# Altium PCB Main_Board.PcbDoc (part 1 of 19) (continued)
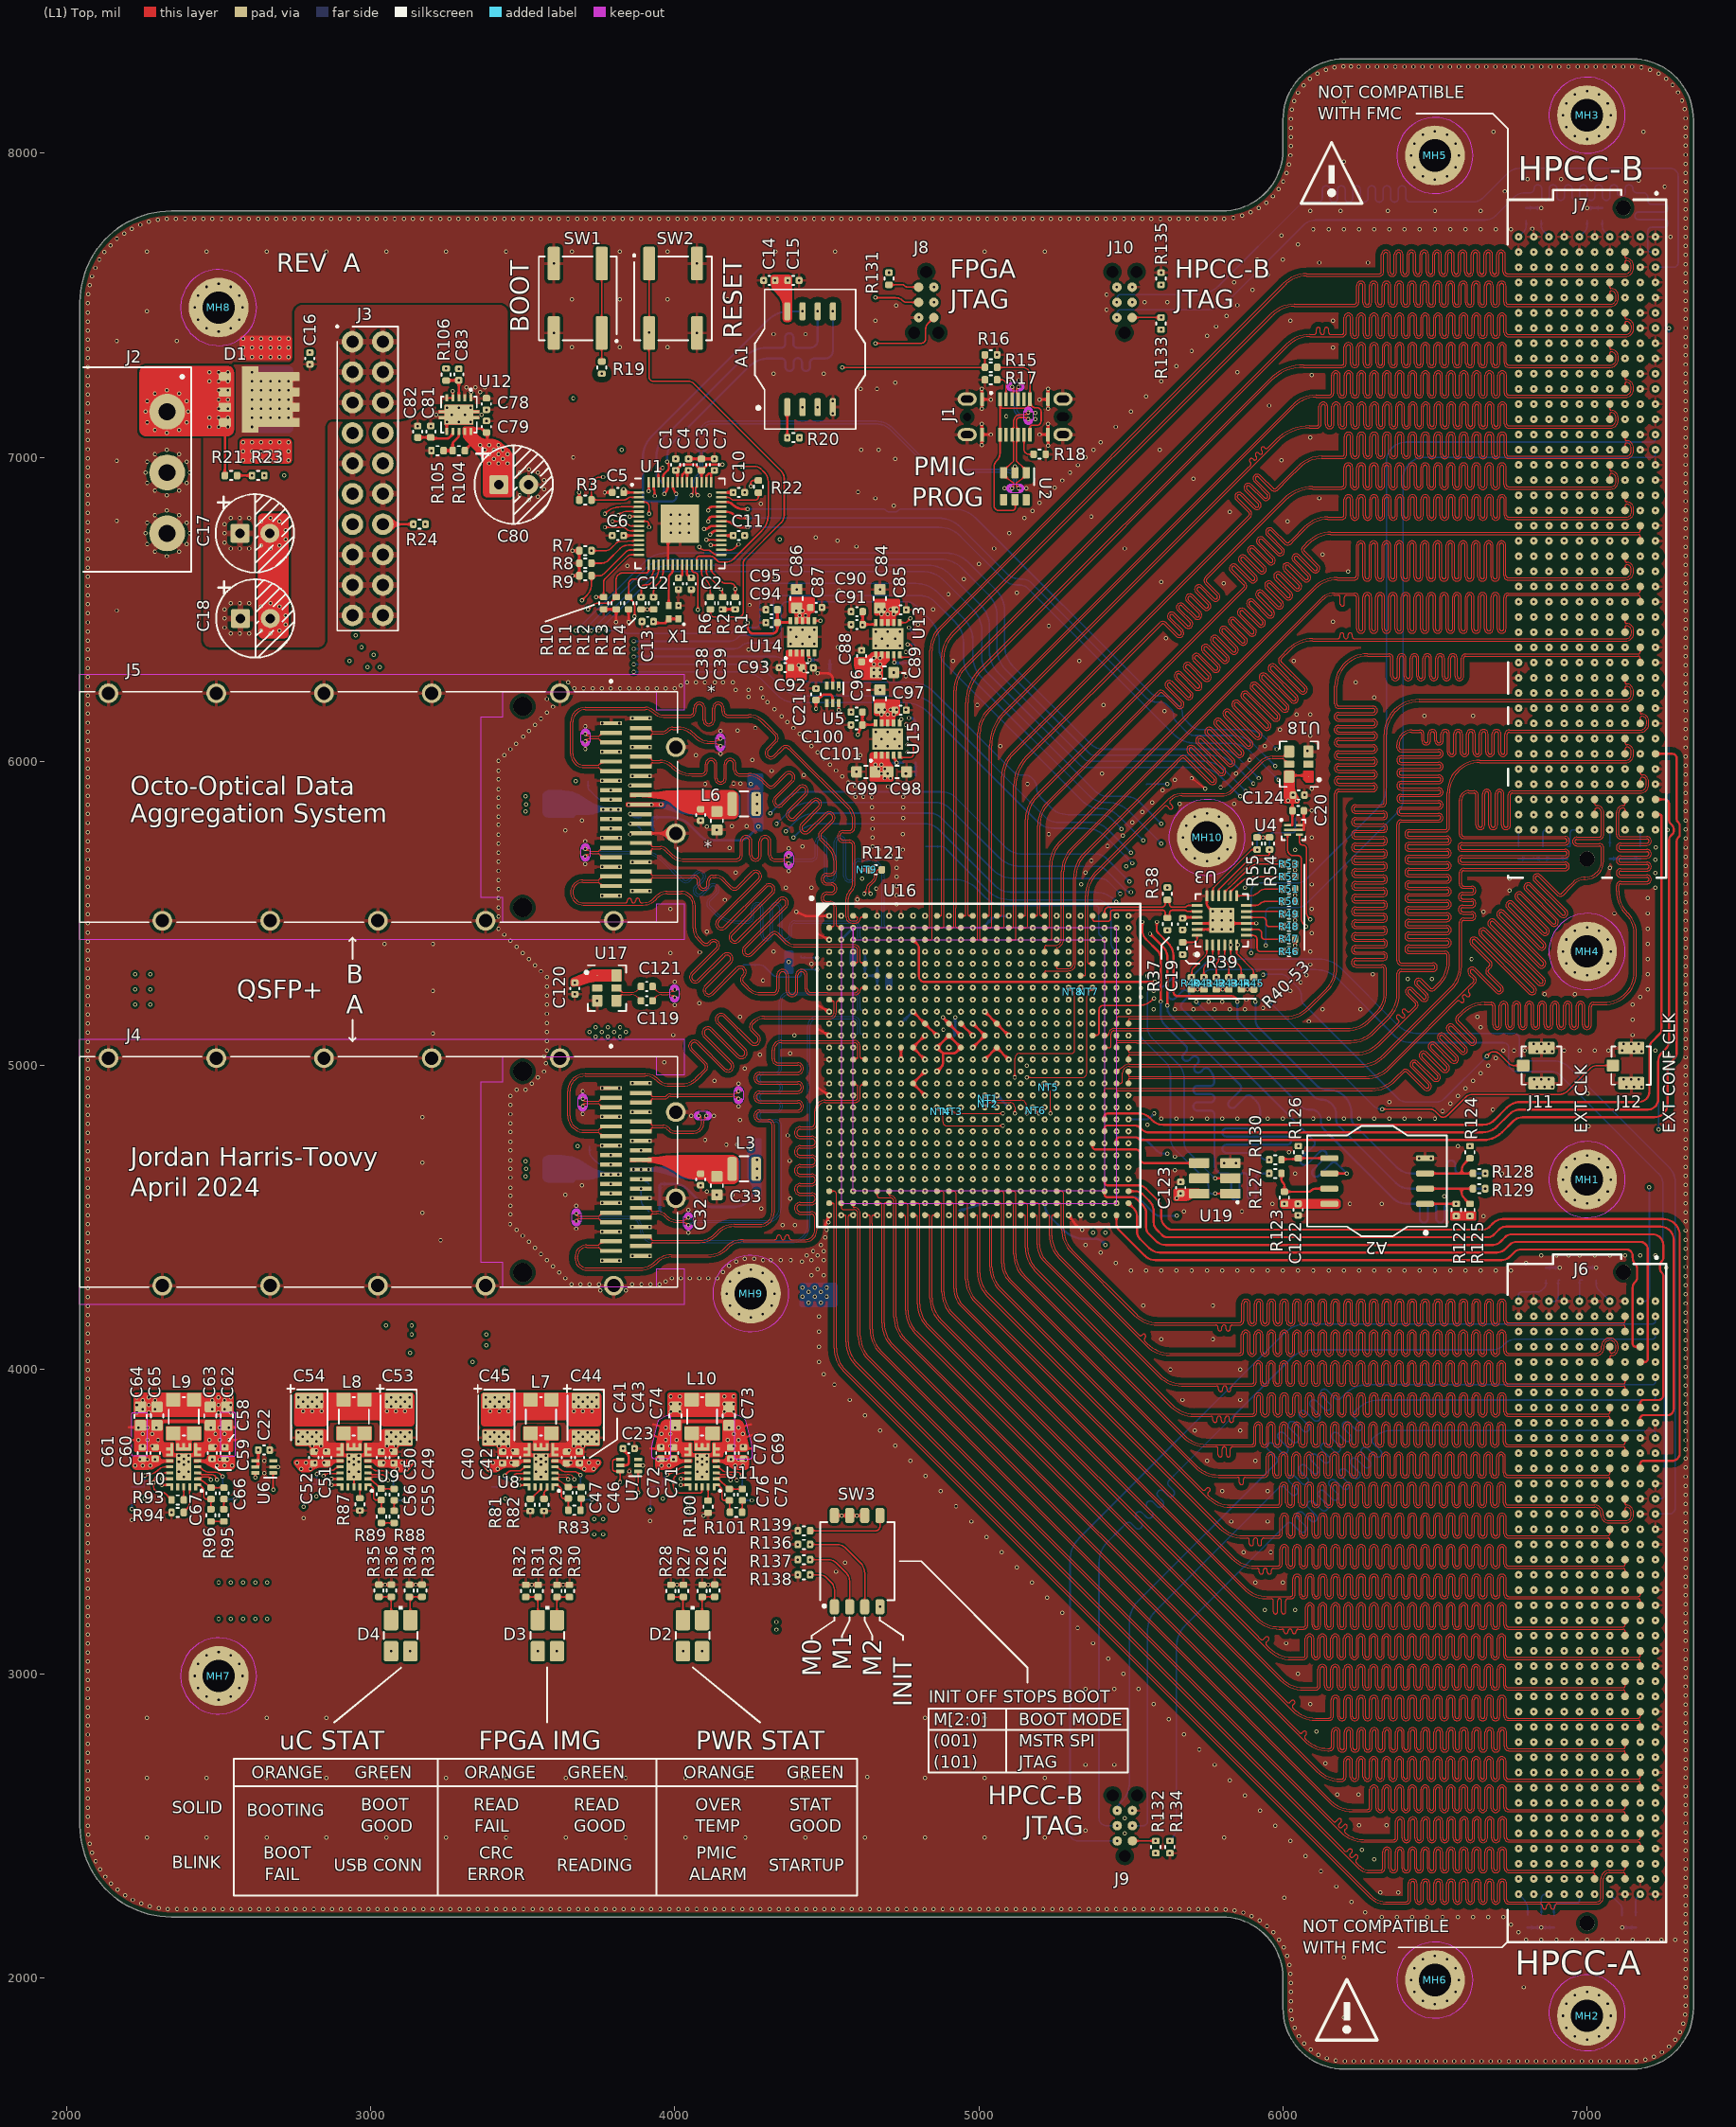
[diagram p0: (L1) Top view]
## Classes and differential pairs (continued)
differential pair HPCC_B_72: +HPCC_B_72_P -HPCC_B_72_N
differential pair HPCC_B_71: +HPCC_B_71_P -HPCC_B_71_N
differential pair HPCC_B_70: +HPCC_B_70_P -HPCC_B_70_N
differential pair HPCC_B_69: +HPCC_B_69_P -HPCC_B_69_N
differential pair HPCC_B_68: +HPCC_B_68_P -HPCC_B_68_N
differential pair HPCC_B_67: +HPCC_B_67_P -HPCC_B_67_N
differential pair HPCC_B_66: +HPCC_B_66_P -HPCC_B_66_N
differential pair HPCC_B_65: +HPCC_B_65_P -HPCC_B_65_N
differential pair HPCC_B_64: +HPCC_B_64_P -HPCC_B_64_N
differential pair HPCC_B_63: +HPCC_B_63_P -HPCC_B_63_N
differential pair HPCC_B_62: +HPCC_B_62_P -HPCC_B_62_N
differential pair HPCC_B_61: +HPCC_B_61_P -HPCC_B_61_N
differential pair HPCC_B_60: +HPCC_B_60_P -HPCC_B_60_N
differential pair HPCC_B_59: +HPCC_B_59_P -HPCC_B_59_N
differential pair HPCC_B_58: +HPCC_B_58_P -HPCC_B_58_N
differential pair HPCC_B_57: +HPCC_B_57_P -HPCC_B_57_N
differential pair HPCC_B_56: +HPCC_B_56_P -HPCC_B_56_N
differential pair HPCC_B_55: +HPCC_B_55_P -HPCC_B_55_N
differential pair HPCC_B_54: +HPCC_B_54_P -HPCC_B_54_N
differential pair HPCC_B_53: +HPCC_B_53_P -HPCC_B_53_N
differential pair HPCC_B_52: +HPCC_B_52_P -HPCC_B_52_N
differential pair HPCC_B_51: +HPCC_B_51_P -HPCC_B_51_N
differential pair HPCC_B_50: +HPCC_B_50_P -HPCC_B_50_N
differential pair HPCC_B_49: +HPCC_B_49_P -HPCC_B_49_N
differential pair HPCC_B_48: +HPCC_B_48_P -HPCC_B_48_N
differential pair HPCC_B_47: +HPCC_B_47_P -HPCC_B_47_N
differential pair HPCC_B_46: +HPCC_B_46_P -HPCC_B_46_N
differential pair HPCC_B_45: +HPCC_B_45_P -HPCC_B_45_N
differential pair HPCC_B_44: +HPCC_B_44_P -HPCC_B_44_N
differential pair HPCC_B_43: +HPCC_B_43_P -HPCC_B_43_N
differential pair HPCC_B_42: +HPCC_B_42_P -HPCC_B_42_N
differential pair HPCC_B_41: +HPCC_B_41_P -HPCC_B_41_N
differential pair HPCC_B_40: +HPCC_B_40_P -HPCC_B_40_N
differential pair HPCC_B_39: +HPCC_B_39_P -HPCC_B_39_N
differential pair HPCC_B_38: +HPCC_B_38_P -HPCC_B_38_N
differential pair HPCC_B_37: +HPCC_B_37_P -HPCC_B_37_N
differential pair HPCC_B_36: +HPCC_B_36_P -HPCC_B_36_N
differential pair HPCC_B_35: +HPCC_B_35_P -HPCC_B_35_N
differential pair HPCC_B_34: +HPCC_B_34_P -HPCC_B_34_N
differential pair HPCC_B_33: +HPCC_B_33_P -HPCC_B_33_N
differential pair HPCC_B_32: +HPCC_B_32_P -HPCC_B_32_N
differential pair HPCC_B_31: +HPCC_B_31_P -HPCC_B_31_N
differential pair HPCC_B_30: +HPCC_B_30_P -HPCC_B_30_N
differential pair HPCC_B_29: +HPCC_B_29_P -HPCC_B_29_N
differential pair HPCC_B_28: +HPCC_B_28_P -HPCC_B_28_N
differential pair HPCC_B_27: +HPCC_B_27_P -HPCC_B_27_N
differential pair HPCC_B_26: +HPCC_B_26_P -HPCC_B_26_N
differential pair HPCC_B_25: +HPCC_B_25_P -HPCC_B_25_N
differential pair HPCC_B_24: +HPCC_B_24_P -HPCC_B_24_N
differential pair HPCC_B_23: +HPCC_B_23_P -HPCC_B_23_N
differential pair HPCC_B_22: +HPCC_B_22_P -HPCC_B_22_N
differential pair HPCC_B_21: +HPCC_B_21_P -HPCC_B_21_N
differential pair HPCC_B_20: +HPCC_B_20_P -HPCC_B_20_N
differential pair HPCC_B_19: +HPCC_B_19_P -HPCC_B_19_N
differential pair HPCC_B_18: +HPCC_B_18_P -HPCC_B_18_N
differential pair HPCC_B_17: +HPCC_B_17_P -HPCC_B_17_N
differential pair HPCC_B_16: +HPCC_B_16_P -HPCC_B_16_N
differential pair HPCC_B_15: +HPCC_B_15_P -HPCC_B_15_N
differential pair HPCC_B_14: +HPCC_B_14_P -HPCC_B_14_N
differential pair HPCC_B_13: +HPCC_B_13_P -HPCC_B_13_N
differential pair HPCC_B_12: +HPCC_B_12_P -HPCC_B_12_N
differential pair HPCC_B_11: +HPCC_B_11_P -HPCC_B_11_N
differential pair HPCC_B_10: +HPCC_B_10_P -HPCC_B_10_N
differential pair HPCC_B_09: +HPCC_B_09_P -HPCC_B_09_N
differential pair HPCC_B_08: +HPCC_B_08_P -HPCC_B_08_N
differential pair HPCC_B_07: +HPCC_B_07_P -HPCC_B_07_N
differential pair HPCC_B_06: +HPCC_B_06_P -HPCC_B_06_N
differential pair HPCC_B_05: +HPCC_B_05_P -HPCC_B_05_N
differential pair HPCC_B_04: +HPCC_B_04_P -HPCC_B_04_N
differential pair HPCC_B_03: +HPCC_B_03_P -HPCC_B_03_N
differential pair HPCC_B_02: +HPCC_B_02_P -HPCC_B_02_N
differential pair HPCC_B_01: +HPCC_B_01_P -HPCC_B_01_N
differential pair HPCC_A_72: +HPCC_A_72_P -HPCC_A_72_N
differential pair HPCC_A_71: +HPCC_A_71_P -HPCC_A_71_N
differential pair HPCC_A_70: +HPCC_A_70_P -HPCC_A_70_N
differential pair HPCC_A_69: +HPCC_A_69_P -HPCC_A_69_N
differential pair HPCC_A_68: +HPCC_A_68_P -HPCC_A_68_N
differential pair HPCC_A_67: +HPCC_A_67_P -HPCC_A_67_N
differential pair HPCC_A_66: +HPCC_A_66_P -HPCC_A_66_N
differential pair HPCC_A_65: +HPCC_A_65_P -HPCC_A_65_N
differential pair HPCC_A_64: +HPCC_A_64_P -HPCC_A_64_N
differential pair HPCC_A_63: +HPCC_A_63_P -HPCC_A_63_N
differential pair HPCC_A_62: +HPCC_A_62_P -HPCC_A_62_N
differential pair HPCC_A_61: +HPCC_A_61_P -HPCC_A_61_N
differential pair HPCC_A_60: +HPCC_A_60_P -HPCC_A_60_N
differential pair HPCC_A_59: +HPCC_A_59_P -HPCC_A_59_N
differential pair HPCC_A_58: +HPCC_A_58_P -HPCC_A_58_N
differential pair HPCC_A_57: +HPCC_A_57_P -HPCC_A_57_N
differential pair HPCC_A_56: +HPCC_A_56_P -HPCC_A_56_N
differential pair HPCC_A_55: +HPCC_A_55_P -HPCC_A_55_N
differential pair HPCC_A_54: +HPCC_A_54_P -HPCC_A_54_N
differential pair HPCC_A_53: +HPCC_A_53_P -HPCC_A_53_N
differential pair HPCC_A_52: +HPCC_A_52_P -HPCC_A_52_N
differential pair HPCC_A_51: +HPCC_A_51_P -HPCC_A_51_N
differential pair HPCC_A_50: +HPCC_A_50_P -HPCC_A_50_N
differential pair HPCC_A_49: +HPCC_A_49_P -HPCC_A_49_N
differential pair HPCC_A_48: +HPCC_A_48_P -HPCC_A_48_N
differential pair HPCC_A_47: +HPCC_A_47_P -HPCC_A_47_N
differential pair HPCC_A_46: +HPCC_A_46_P -HPCC_A_46_N
differential pair HPCC_A_45: +HPCC_A_45_P -HPCC_A_45_N
differential pair HPCC_A_44: +HPCC_A_44_P -HPCC_A_44_N
differential pair HPCC_A_43: +HPCC_A_43_P -HPCC_A_43_N
differential pair HPCC_A_42: +HPCC_A_42_P -HPCC_A_42_N
differential pair HPCC_A_41: +HPCC_A_41_P -HPCC_A_41_N
differential pair HPCC_A_40: +HPCC_A_40_P -HPCC_A_40_N
differential pair HPCC_A_39: +HPCC_A_39_P -HPCC_A_39_N
differential pair HPCC_A_38: +HPCC_A_38_P -HPCC_A_38_N
differential pair HPCC_A_37: +HPCC_A_37_P -HPCC_A_37_N
differential pair HPCC_A_36: +HPCC_A_36_P -HPCC_A_36_N
differential pair HPCC_A_35: +HPCC_A_35_P -HPCC_A_35_N
differential pair HPCC_A_34: +HPCC_A_34_P -HPCC_A_34_N
differential pair HPCC_A_33: +HPCC_A_33_P -HPCC_A_33_N
differential pair HPCC_A_32: +HPCC_A_32_P -HPCC_A_32_N
differential pair HPCC_A_31: +HPCC_A_31_P -HPCC_A_31_N
differential pair HPCC_A_30: +HPCC_A_30_P -HPCC_A_30_N
differential pair HPCC_A_29: +HPCC_A_29_P -HPCC_A_29_N
differential pair HPCC_A_28: +HPCC_A_28_P -HPCC_A_28_N
differential pair HPCC_A_27: +HPCC_A_27_P -HPCC_A_27_N
differential pair HPCC_A_26: +HPCC_A_26_P -HPCC_A_26_N
differential pair HPCC_A_25: +HPCC_A_25_P -HPCC_A_25_N
differential pair HPCC_A_24: +HPCC_A_24_P -HPCC_A_24_N
differential pair HPCC_A_23: +HPCC_A_23_P -HPCC_A_23_N
differential pair HPCC_A_22: +HPCC_A_22_P -HPCC_A_22_N
differential pair HPCC_A_21: +HPCC_A_21_P -HPCC_A_21_N
differential pair HPCC_A_20: +HPCC_A_20_P -HPCC_A_20_N
differential pair HPCC_A_19: +HPCC_A_19_P -HPCC_A_19_N
differential pair HPCC_A_18: +HPCC_A_18_P -HPCC_A_18_N
differential pair HPCC_A_17: +HPCC_A_17_P -HPCC_A_17_N
differential pair HPCC_A_16: +HPCC_A_16_P -HPCC_A_16_N
differential pair HPCC_A_15: +HPCC_A_15_P -HPCC_A_15_N
differential pair HPCC_A_14: +HPCC_A_14_P -HPCC_A_14_N
differential pair HPCC_A_13: +HPCC_A_13_P -HPCC_A_13_N
differential pair HPCC_A_12: +HPCC_A_12_P -HPCC_A_12_N
differential pair HPCC_A_11: +HPCC_A_11_P -HPCC_A_11_N
differential pair HPCC_A_10: +HPCC_A_10_P -HPCC_A_10_N
differential pair HPCC_A_09: +HPCC_A_09_P -HPCC_A_09_N
differential pair HPCC_A_08: +HPCC_A_08_P -HPCC_A_08_N
differential pair HPCC_A_07: +HPCC_A_07_P -HPCC_A_07_N
differential pair HPCC_A_06: +HPCC_A_06_P -HPCC_A_06_N
differential pair HPCC_A_05: +HPCC_A_05_P -HPCC_A_05_N
differential pair HPCC_A_04: +HPCC_A_04_P -HPCC_A_04_N
differential pair HPCC_A_03: +HPCC_A_03_P -HPCC_A_03_N
differential pair HPCC_A_02: +HPCC_A_02_P -HPCC_A_02_N
differential pair HPCC_A_01: +HPCC_A_01_P -HPCC_A_01_N
differential pair GTX_REFCLK: +GTX_REFCLK_P -GTX_REFCLK_N
differential pair GTX_REFCLK_DC: +GTX_REFCLK_DC_P -GTX_REFCLK_DC_N
differential pair GTX_CAL: +GTX_CAL_P -GTX_CAL_N
differential pair FPGA_CK200: +FPGA_CK200_P -FPGA_CK200_N

## Components (designator, comment, footprint, x,y, rotation, side; value= is the part's Value field where it differs from the comment)
A1 "MT25QL128" LOTES_ACA-SPI-004-K01 4445,7322.52 r90 top
A2 "MT25QL128" LOTES_ACA-SPI-004-K01 6310,4620 r180 top
C1 "0.1u" C_0402_Generic 4003.04,6975.99 r270 top
C2 "0.1u" C_0402_Generic 4054.41,6584.01 r90 top
C3 "1u" C_0402_Generic 4087.87,6975.99 r270 top
C4 "0.1u" C_0402_Generic 4045.45,6975.99 r270 top
C5 "0.1u" C_0402_Generic 3813.09,6884.36 r0 top
C6 "0.1u" C_0402_Generic 3813.09,6742.63 r0 top
C7 "0.1u" C_0402_Generic 4130.28,6975.99 r270 top
C8 "0.1u" C_0402_Generic 4045.45,6975.99 r270 bottom
C9 "0.1u" C_0402_Generic 4130.28,6975.99 r270 bottom
C10 "0.1u" C_0402_Generic 4210.99,6884.36 r180 top
C11 "1u" C_0402_Generic 4210.99,6742.63 r180 top
C12 "10u" C_0402_Generic 4012,6584.01 r90 top
C13 "0.1u" C_0402_Generic 3911.1,6460 r0 top
C14 "4.7u" C_0402_Generic 4311.1,7581.52 r0 top
C15 "0.1u" C_0402_Generic 4390,7581.52 r180 top
C16 "10u" C_0402_Generic 2800,7325 r270 top
C17 "330u" KEMET_EK_Radial 2619.21,6750 r0 top
C18 "330u" KEMET_EK_Radial 2620.79,6470 r0 top
C19 "0.1u" C_0402_Generic 5670,5465 r90 top
C20 "0.1u" C_0402_Generic 6050,5838.16 r180 top
C21 "0.1u" C_0402_Generic 4464.36,6220.87 r270 top
C22 "0.1u" C_0402_Generic 2649.08,3735.27 r180 top
C23 "0.1u" C_0402_Generic 3848.62,3740.47 r180 top
C24 "0.1u" C_0402_Generic 4250,4586.94 r0 bottom
C25 "22u" C_0603_Generic 4235,4738.97 r0 bottom
C26 "0.1u" C_0402_Generic 4255,5786.94 r0 bottom
C27 "22u" C_0603_Generic 4235,5938.97 r0 bottom
C28 "0.1u" C_0402_Generic 3695,4625 r90 bottom
C29 "22u" C_0603_Generic 3640,4605 r90 bottom
C30 "0.1u" C_0402_Generic 4085,4625 r90 bottom
C31 "22u" C_0603_Generic 4138.32,4605 r90 bottom
C32 "0.1u" C_0402_Generic 4085,4625 r90 top
C33 "22u" C_0603_Generic 4138.32,4605 r90 top
C34 "0.1u" C_0402_Generic 3695,5825.1 r90 bottom
C35 "22u" C_0603_Generic 3640,5804 r90 bottom
C36 "0.1u" C_0402_Generic 4085,5824.9 r90 bottom
C37 "22u" C_0603_Generic 4138.32,5805 r90 bottom
C38 "0.1u" C_0402_Generic 4085,5824 r90 top
C39 "22u" C_0603_Generic 4138.32,5805 r90 top
C40 "10u" C_0402_Generic 3433.84,3710.82 r270 top
C41 "0.1u" C_0402_Generic 3644,3710.82 r270 top
C42 "0.1u" C_0402_Generic 3476.25,3710.82 r270 top
C43 "10u" C_0402_Generic 3686.41,3710.82 r270 top
C44 "270u" C_TANT_EIA-3528-21_A 3706.88,3836.89 r270 top
C45 "270u" C_TANT_EIA-3528-21_A 3413.12,3836.89 r270 top
C46 "680p" C_0402_Generic 3692.15,3595.02 r90 top
C47 "10p" C_0402_Generic 3649.73,3595.02 r90 top
C48 "10p" C_0402_Generic 3401.68,3517.66 r90 bottom
C49 "10u" C_0402_Generic 3076.9,3710.82 r270 top
C50 "0.1u" C_0402_Generic 3034.49,3710.82 r270 top
C51 "0.1u" C_0402_Generic 2855.26,3710.82 r270 top
C52 "10u" C_0402_Generic 2812.85,3710.82 r270 top
C53 "150u" C_TANT_EIA-3528-21_B 3091.93,3836.89 r270 top
C54 "150u" C_TANT_EIA-3528-21_B 2798.07,3836.89 r270 top
C55 "2700p" C_0402_Generic 3077.15,3588.89 r90 top
C56 "10p" C_0402_Generic 3034.73,3589.89 r90 top
C57 "10p" C_0402_Generic 2779.49,3529.95 r90 bottom
C58 "10u" C_0402_Generic 2521.19,3725.28 r270 top
C59 "0.1u" C_0402_Generic 2478.59,3725.28 r270 top
C60 "0.1u" C_0402_Generic 2291.41,3725.28 r270 top
C61 "10u" C_0402_Generic 2249,3725.28 r270 top
C62 "47u" C_0603_Generic 2527.09,3847.09 r90 top
C63 "47u" C_0603_Generic 2472.69,3847.09 r90 top
C64 "47u" C_0603_Generic 2243.09,3846.89 r90 top
C65 "47u" C_0603_Generic 2297.31,3847.09 r90 top
C66 "2700p" C_0402_Generic 2517.63,3592.89 r90 top
C67 "10p" C_0402_Generic 2475.22,3592.89 r90 top
C68 "10p" C_0402_Generic 2214.97,3522.58 r90 bottom
C69 "4.7u" C_0402_Generic 4226,3725.28 r270 top
C70 "0.1u" C_0402_Generic 4183.59,3725.28 r270 top
C71 "0.1u" C_0402_Generic 3996.41,3725.28 r270 top
C72 "4.7u" C_0402_Generic 3954,3725.28 r270 top
C73 "47u" C_0603_Generic 4177.69,3847.09 r90 top
C74 "47u" C_0603_Generic 4002.31,3847.09 r90 top
C75 "6800p" C_0402_Generic 4222.15,3588.39 r90 top
C76 "10p" C_0402_Generic 4179.73,3588.39 r90 top
C77 "10p" C_0402_Generic 3919.05,3520.61 r90 bottom
C78 "4.7u" C_0402_Generic 3380.69,7175.4 r90 top
C79 "10u" C_0402_Generic 3380.69,7100.71 r270 top
C80 "330u" KEMET_EK_Radial 3470.27,6910 r0 top
C81 "6800p" C_0402_Generic 3197.64,7084.48 r270 top
C82 "6800p" C_0402_Generic 3154.76,7083.9 r270 top
C83 "10p" C_0402_Generic 3289.64,7272.22 r270 top
C84 "22u" C_0603_Generic 4674.56,6535.15 r270 top
C85 "10u" C_0402_Generic 4742.57,6498.48 r180 top
C86 "22u" C_0603_Generic 4400.92,6535.53 r270 top
C87 "10u" C_0402_Generic 4464.98,6506 r180 top
C88 "10u" C_0402_Generic 4614.63,6346.15 r270 top
C89 "47u" C_0603_Generic 4689.63,6292.15 r180 top
C90 "0.1u" C_0402_Generic 4598.88,6492.43 r0 top
C91 "1u" C_0402_Generic 4598.88,6449.74 r0 top
C92 "10u" C_0402_Generic 4436.75,6307.71 r180 top
C93 "10u" C_0402_Generic 4362.54,6308.45 r0 top
C94 "0.1u" C_0402_Generic 4318.45,6456.31 r0 top
C95 "1u" C_0402_Generic 4318.45,6499 r0 top
C96 "22u" C_0603_Generic 4674.74,6205.24 r270 top
C97 "10u" C_0402_Generic 4742.63,6168.57 r180 top
C98 "22u" C_0603_Generic 4731.62,5965.7 r180 top
C99 "47u" C_0603_Generic 4628.34,5965.7 r0 top
C100 "0.1u" C_0402_Generic 4598.45,6162.24 r0 top
C101 "1u" C_0402_Generic 4598.45,6119.83 r0 top
C102 "4.7u" C_0402_Generic 4685,5295 r0 bottom
C103 "4.7u" C_0402_Generic 4605.9,5334 r180 bottom
C104 "4.7u" C_0402_Generic 4685.83,5019.69 r0 bottom
C105 "100u" C_0805_Generic 5059,5452 r270 bottom
C106 "100u" C_0805_Generic 4921,4547 r90 bottom
C107 "330u" C_TANT_EIA-3528-21_B 4980.31,5098.43 r180 bottom
C108 "330u" C_TANT_EIA-3528-21_B 4485,4315 r90 bottom
C109 "100u" C_0805_Generic 4814,5099 r90 bottom
C110 "4.7u" C_0402_Generic 4999.21,4862.2 r180 bottom
C111 "4.7u" C_0402_Generic 5059,4921.76 r90 bottom
C112 "4.7u" C_0402_Generic 4999.21,4940.94 r180 bottom
C113 "47u" C_0603_Generic 4902,4897.47 r270 bottom
C114 "47u" C_0603_Generic 4892.72,4980.31 r180 bottom
C115 "47u" C_0603_Generic 4784,4899 r90 bottom
C116 "47u" C_0603_Generic 4744,5109 r270 bottom
C117 "47u" C_0603_Generic 5413.39,4713.58 r90 bottom
C118 "47u" C_0603_Generic 5404.53,5255.91 r180 bottom
C119 "0.1u" C_0402_Generic 3907.87,5212.59 r180 top
C120 "0.1u" C_0402_Generic 3671.5,5253.24 r270 top
C121 "0.1u" C_0402_Generic 3907.87,5260 r180 top
C122 "0.1u" C_0402_Generic 6050,4526.1 r90 top
C123 "0.1u" C_0402_Generic 5664.05,4598.17 r270 top
C124 "0.1u" C_0402_Generic 6052,5889.3 r180 top
D1 "V30K45" Vishay_FlatPAK_5x6 2660,7190 r270 top
D2 "APB3025SEKCGKC-F01" KINGBRIGHT_1210_DUAL 4058.51,3125 r270 top
D3 "APB3025SEKCGKC-F01" KINGBRIGHT_1210_DUAL 3581,3125 r270 top
D4 "APB3025SEKCGKC-F01" KINGBRIGHT_1210_DUAL 3098.66,3125 r270 top
J1 "USB4145-03-0230-C" USB4145-03-0230-C 5119,7133 r0 top locked
J2 "796638-3" TE_796638-3 2330.7,6950 r270 top locked
J3 "PH2-20-UA" ADAM_TECH_PH2-20-UA 2990,6930 r270 top
J4 "QSFP+ Cage/Conn" AMPHENOL_U95T151100A 3500,4650 r270 top locked
J5 "QSFP+ Cage/Conn" AMPHENOL_U95T151100A 3500,5850 r270 top locked
J6 "ASP-134486-01" SAMTEC_ASP-134486-01 7000,3250 r270 top locked
J7 "ASP-134486-01" SAMTEC_ASP-134486-01 7000,6750 r270 top locked
J8 "TC-XILINX6_6PIN" TAG-CONNECT_NO-LEGS_6PIN 4827.08,7509.66 r270 top locked
J9 "TC-XILINX6_6PIN" TAG-CONNECT_NO-LEGS_6PIN 5480,2500 r90 top locked
J10 "TC-XILINX6_6PIN" TAG-CONNECT_NO-LEGS_6PIN 5479.01,7509.66 r90 top locked
J11 "U.FL" TE_IPEX 6850,5000 r270 top
J12 "U.FL" TE_IPEX 7145,5000 r270 top
L1 "1u" Murata_Ind_1008 3550.27,4660 r180 bottom
L2 "1u" Murata_Ind_1008 4228.05,4660 r0 bottom
L3 "1u" Murata_Ind_1008 4228.05,4660 r0 top
L4 "1u" Murata_Ind_1008 3550,5859 r180 bottom
L5 "1u" Murata_Ind_1008 4228.05,5860 r0 bottom
L6 "1u" Murata_Ind_1008 4228.05,5860 r0 top
L7 "0.15u" TDK_CLT32 3560,3845.89 r90 top
L8 "0.15u" TDK_CLT32 2945,3845.89 r90 top
L9 "0.15u" TDK_CLT32 2385,3845.89 r90 top
L10 "0.15u" TDK_CLT32 4090,3845.89 r90 top
MH1 "M2.5 Mounting Hole" M2.5_MOUNTING_HOLE 7000,4625 r0 top locked
MH2 "M2.5 Mounting Hole" M2.5_MOUNTING_HOLE 7000,1875 r0 top locked
MH3 "M2.5 Mounting Hole" M2.5_MOUNTING_HOLE 7000,8125 r0 top locked
MH4 "M2.5 Mounting Hole" M2.5_MOUNTING_HOLE 7000,5375 r0 top locked
MH5 "M2.5 Mounting Hole" M2.5_MOUNTING_HOLE 6500,7992.5 r0 top locked
MH6 "M2.5 Mounting Hole" M2.5_MOUNTING_HOLE 6500,1992.5 r0 top locked
MH7 "M2.5 Mounting Hole" M2.5_MOUNTING_HOLE 2500,2992.5 r0 top
MH8 "M2.5 Mounting Hole" M2.5_MOUNTING_HOLE 2500,7492.5 r0 top locked
MH9 "M2.5 Mounting Hole" M2.5_MOUNTING_HOLE 4250,4250 r0 top locked
MH10 "M2.5 Mounting Hole" M2.5_MOUNTING_HOLE 5750,5750 r0 top locked
NT1 "NT" SMD_NET_TIE#1 5029.03,4891.97 r135 top net-tie
NT2 "NT" SMD_NET_TIE#1 5029.03,4873.03 r225 top net-tie
NT3 "NT" SMD_NET_TIE#1 4912.97,4850.03 r135 top net-tie
NT4 "NT" SMD_NET_TIE#1 4874.03,4849.97 r135 top net-tie
NT5 "NT" SMD_NET_TIE#1 5227.97,4929.03 r135 top net-tie
NT6 "NT" SMD_NET_TIE#2 5187.53,4851.92 r135 top net-tie
NT7 "NT" SMD_NET_TIE#1 5362.97,5243.97 r45 top net-tie
NT8 "NT" SMD_NET_TIE#1 5307.03,5243.97 r135 top net-tie
NT9 "NT" SMD_NET_TIE#3 4632,5643.42 r180 top net-tie
R1 "4K7" R_0402_Generic 4198.93,6520.23 r270 top
R2 "4K7" R_0402_Generic 4157.89,6520.23 r270 top
R3 "4K7" R_0402_Generic 3706,6859.6 r180 top
R4 "27R" R_0402_Generic 4108,7047.93 r270 bottom
R5 "27R" R_0402_Generic 4066.97,7047.93 r90 bottom
R6 "1K15" R_0402_Generic 4116.86,6520.23 r270 top
R7 "10K" R_0402_Generic 3706,6693 r0 top
R8 "10K" R_0402_Generic 3706,6651.76 r0 top
R9 "10K" R_0402_Generic 3706,6610.48 r0 top
R10 "10K" R_0402_Generic 3766,6520.23 r90 top
R11 "10K" R_0402_Generic 3807.21,6520.23 r90 top
R12 "10K" R_0402_Generic 3848.24,6520.23 r90 top
R13 "10K" R_0402_Generic 3889.27,6520 r90 top
R14 "10K" R_0402_Generic 3930.31,6520 r90 top
R15 "3K57" R_0402_Generic 5040,7296.03 r0 top
R16 "6K2" R_0402_Generic 5040,7337.07 r180 top
R17 "5K11" R_0402_Generic 5040,7255 r0 top
R18 "5K11" R_0402_Generic 5200,7010 r180 top
R19 "1K15" R_0402_Generic 3760,7295 r270 top
R20 "10K" R_0402_Generic 4390,7064.66 r0 top
R21 "47K" R_0402_Generic 2540.55,6940 r180 top
R22 "0" R_0402_Generic 4275,6903.67 r90 top
R23 "47K" R_0402_Generic 2630,6940 r180 top
R24 "47K" R_0402_Generic 3160,6780 r0 top
R25 "1K" R_0402_Generic 4131.22,3272.75 r270 top
R26 "1K" R_0402_Generic 4090.19,3272.2 r270 top
R27 "1K" R_0402_Generic 4028.51,3272.2 r270 top
R28 "1K" R_0402_Generic 3987.47,3272.3 r270 top
R29 "1K" R_0402_Generic 3612.68,3272.2 r270 top
R30 "1K" R_0402_Generic 3653.72,3272.2 r270 top
R31 "1K" R_0402_Generic 3551,3272.2 r270 top
R32 "1K" R_0402_Generic 3509.97,3272.2 r270 top
R33 "1K" R_0402_Generic 3168.66,3272.75 r270 top
R34 "1K" R_0402_Generic 3126.92,3272.75 r270 top
R35 "1K" R_0402_Generic 3027.01,3272.75 r270 top
R36 "1K" R_0402_Generic 3068.04,3272.75 r270 top
R37 "4K7" R_0402_Generic 5620,5465 r270 top
R38 "4K7" R_0402_Generic 5620,5565 r90 top
R39 "4K7" R_0402_Generic 5670,5385 r270 top
R40 "4K7" R_0402_Generic 5698.97,5270 r270 top
R41 "4K7" R_0402_Generic 5740,5270 r270 top
R42 "4K7" R_0402_Generic 5781.03,5270 r270 top
R43 "4K7" R_0402_Generic 5822.07,5270 r270 top
R44 "4K7" R_0402_Generic 5863.1,5270 r270 top
R45 "4K7" R_0402_Generic 5904.13,5269.92 r270 top
R46 "4K7" R_0402_Generic 6020,5375 r0 top
R47 "4K7" R_0402_Generic 6020,5416.03 r0 top
R48 "4K7" R_0402_Generic 6020,5457.07 r0 top
R49 "4K7" R_0402_Generic 6020,5498.1 r0 top
R50 "4K7" R_0402_Generic 6019.95,5539.13 r0 top
R51 "4K7" R_0402_Generic 6020,5580.17 r0 top
R52 "4K7" R_0402_Generic 6020,5621.2 r0 top
R53 "4K7" R_0402_Generic 6020,5662.24 r0 top
R54 "4K7" R_0402_Generic 5956.03,5730 r90 top
R55 "4K7" R_0402_Generic 5915,5730 r90 top
R56 "4K7" R_0402_Generic 3700,4735 r180 bottom
R57 "4K7" R_0402_Generic 3695.08,5935 r180 bottom
R58 "4K7" R_0402_Generic 3935,4520 r0 bottom
R59 "4K7" R_0402_Generic 3909.92,5775 r0 bottom
R60 "4K7" R_0402_Generic 3935,4610 r0 bottom
R61 "4K7" R_0402_Generic 3909.84,5816.03 r0 bottom
R62 "0" R_0402_Generic 7030,4314.92 r270 bottom
R63 "0" R_0402_Generic 6865,4315 r270 bottom
R64 "0" R_0402_Generic 6891.03,2185 r90 bottom
R65 "0" R_0402_Generic 6985,4315 r270 bottom
R66 "0" R_0402_Generic 7160,2185 r90 bottom
R67 "0" R_0402_Generic 6850,2185.08 r90 bottom
R68 "0" R_0402_Generic 6910,4315 r270 bottom
R69 "0" R_0402_Generic 7115,2185 r90 bottom
R70 "0" R_0402_Generic 6805,2185.08 r90 bottom
R71 "0" R_0402_Generic 7050,7800 r270 bottom
R72 "0" R_0402_Generic 6800,7800 r270 bottom
R73 "0" R_0402_Generic 6935,5700.08 r90 bottom
R74 "0" R_0402_Generic 7000,7800 r270 bottom
R75 "0" R_0402_Generic 7175,5700.08 r90 bottom
R76 "0" R_0402_Generic 6855,5700.08 r90 bottom
R77 "0" R_0402_Generic 6850,7800 r270 bottom
R78 "0" R_0402_Generic 7075,5700.08 r90 bottom
R79 "0" R_0402_Generic 6775,5700 r90 bottom
R80 "47K" R_0402_Generic 3690,3591.97 r270 bottom
R81 "6K2" R_0402_Generic 3525,3554.8 r90 top
R82 "47K" R_0402_Generic 3570,3554.8 r90 top
R83 "5K11" R_0402_Generic 3670,3537.55 r0 top
R84 "10K" R_0402_Generic 3442.4,3595.02 r270 bottom
R85 "1K" R_0402_Generic 3400.99,3595.02 r90 bottom
R86 "47K" R_0402_Generic 3074.49,3589.89 r270 bottom
R87 "47K" R_0402_Generic 2964.49,3556.8 r90 top
R88 "1K" R_0402_Generic 3077.15,3515.69 r90 top
R89 "1K" R_0402_Generic 3035.42,3515.69 r270 top
R90 "10K" R_0402_Generic 2821.49,3602.89 r270 bottom
R91 "1K" R_0402_Generic 2779.49,3601.89 r90 bottom
R92 "47K" R_0402_Generic 2513.22,3593.89 r270 bottom
R93 "47K" R_0402_Generic 2365.22,3571.27 r180 top
R94 "47K" R_0402_Generic 2365.22,3530.24 r0 top
R95 "261R" R_0402_Generic 2516.94,3520.61 r90 top
R96 "1K15" R_0402_Generic 2474.53,3520.61 r270 top
R97 "10K" R_0402_Generic 2256.62,3595.02 r270 bottom
R98 "1K" R_0402_Generic 2214.97,3595.02 r90 bottom
R99 "47K" R_0402_Generic 4221.51,3589.89 r270 bottom
R100 "47K" R_0402_Generic 4109.51,3548.89 r90 top
R101 "261R" R_0402_Generic 4201.51,3530.92 r0 top
R102 "10K" R_0402_Generic 3960.28,3594.86 r270 bottom
R103 "1K" R_0402_Generic 3919.05,3594.86 r90 bottom
R104 "3K57" R_0402_Generic 3289.69,7021.88 r0 top
R105 "1K15" R_0402_Generic 3219.71,7021.88 r0 top
R106 "47K" R_0402_Generic 3247.92,7272.22 r90 top
R107 "10K" R_0402_Generic 4790,6400 r90 bottom
R108 "1K" R_0402_Generic 4701.69,6323.25 r180 bottom
R109 "3K57" R_0402_Generic 4762.45,6303.48 r90 bottom
R110 "6K2" R_0402_Generic 4420,6331.88 r180 bottom
R111 "4K7" R_0402_Generic 4490.15,6332.1 r180 bottom
R112 "261R" R_0402_Generic 4490.15,6291.07 r0 bottom
R113 "10K" R_0402_Generic 4790,6075 r90 bottom
R114 "3K57" R_0402_Generic 4698.86,5995.13 r180 bottom
R115 "3K57" R_0402_Generic 4771.47,5995.35 r180 bottom
R116 "3K57" R_0402_Generic 4771.47,5954.31 r0 bottom
R117 "4K7" R_0402_Generic 4394.92,5360 r180 bottom
R118 "4K7" R_0402_Generic 4395,5318.97 r180 bottom
R119 "49R9" R_0402_Generic 5416.03,4430 r270 bottom
R120 "49R9" R_0402_Generic 5375,4430 r90 bottom
R121 "100R" R_0402_Generic 4660.7,5643.37 r180 top
R122 "4K7" R_0402_Generic 6570,4525 r270 top
R123 "4K7" R_0402_Generic 6005,4565 r270 top
R124 "4K7" R_0402_Generic 6615,4715 r90 top
R125 "4K7" R_0402_Generic 6615,4525 r270 top
R126 "4K7" R_0402_Generic 6050.69,4715 r90 top
R127 "27R" R_0402_Generic 5975,4645 r0 top
R128 "27R" R_0402_Generic 6645,4645 r180 top
R129 "27R" R_0402_Generic 6645,4595 r180 top
R130 "27R" R_0402_Generic 5975,4690 r0 top
R131 "0" R_0402_Generic 4704.41,7587.23 r90 top
R132 "0" R_0402_Generic 5581.72,2430 r270 top
R133 "0" R_0402_Generic 5599.01,7439.66 r270 top
R134 "4K7" R_0402_Generic 5628.28,2430 r90 top
R135 "4K7" R_0402_Generic 5599,7587.23 r270 top
R136 "1K15" R_0402_Generic 4425,3425 r0 top
R137 "1K15" R_0402_Generic 4425,3375 r0 top
R138 "1K15" R_0402_Generic 4425,3325 r0 top
R139 "1K15" R_0402_Generic 4425,3470 r0 top
SW1 "KSC353J_LFG" C&K_KSC_6.20 3680.87,7523 r90 top
SW2 "KSC401J_50SH_LFS" C&K_KSC_6.20 3994.52,7523 r270 top
SW3 "TDA04H0SB1R" C&K_TDA_GULL_04POS 4600,3370 r0 top
TJ1 "THJP0612AST1" ThermaWick_0612 2660,7310 r270 bottom
TJ2 "THJP0612AST1" ThermaWick_0612 2660,7070 r90 bottom
TP1 "RP2040_RUN Test Point" TP_3MM 3915.58,7410.79 r270 bottom
TP2 "3V3AUX Test Point" TP_3MM 3665.87,7193.75 r90 bottom
TP3 "SWCLK Test Point" TP_3MM 4075.76,6499 r90 bottom
TP4 "SWDIO Test Point" TP_3MM 4220,6970 r90 bottom
TP5 "SWDGND Test Point" TP_3MM 3665.87,6999.42 r90 bottom
TP6 "EXT I2C GND Test Point" TP_3MM 6040.52,5709.48 r180 bottom
TP7 "EXT I2C SDA Test Point" TP_3MM 6040.52,5815 r180 bottom
TP8 "EXT I2C SCL Test Point" TP_3MM 5935,5815 r180 bottom
TP9 "FPGA B14 L6N/VREF Test Point" TP_3MM 4825,5611.12 r180 bottom
TP10 "FPGA B14 L7P Test Point" TP_3MM 5550.29,5923.91 r90 bottom
TP11 "FPGA nRESET Test Point" TP_3MM 4225,5330 r90 bottom
TP12 "FPGA DOUT Test Point" TP_3MM 4825,5720 r90 bottom
U1 "RP2040" "RP2040/SC0914 QFN-56" 4017,6782 r0 top locked
U2 "NSP4201MR6T1G" ONSEMI_6-TSOP 5119,6905 r180 top
U3 "PCA9548A" HVQFN24_NXP 5798.71,5477.16 r90 top
U4 "M24128-BFMH6TG" STM_DFN5 6035,5775 r0 top
U5 "TMP1075N" TI_SOT-563 4519.69,6220.87 r270 top
U6 "TMP1075N" TI_SOT-563 2650,3680 r180 top
U7 "TMP1075N" TI_SOT-563 3850,3685 r180 top
U8 "TPS62873Q" TPS6287x-Q1 3560,3680 r180 top
U9 "TPS62873Q" TPS6287x-Q1 2945,3680 r180 top
U10 "TPS62873Q" TPS6287x-Q1 2385,3680 r180 top
U11 "TPS62873Q" TPS6287x-Q1 4090,3680 r180 top
U12 "TPS74801DRCR" TI_10VSON_DRC0010J_ADDVIA 3290,7140 r270 top
U13 "AP7176BFN-7" DIODES_INC_U-DFN3030-10 4700.63,6403.15 r90 top
U14 "AP7176BFN-7" DIODES_INC_U-DFN3030-10 4420,6410 r90 top
U15 "AP7176BFN-7" DIODES_INC_U-DFN3030-10 4700,6073.15 r90 top
U16 "XC7K160T-2" FFG676_(XC7K160T-2FFG676I) 5000,5000 r0 top locked
U17 "DSC1123CI2-156.2500T" Microchip_DSC1123CI2 3776.5,5254.66 r270 top
U18 "DSC1123CI2-200.0000" Microchip_DSC1123CI2 6052,5991 r90 top
U19 "514CCC000107BAG" Si514_Size-B 5776,4629 r180 top
X1 "ECS-1612MV-120" "ECS 4-SMD (1.6X1.2)" 3995.91,6490.65 r90 top

## Footprints (in the part's own frame and the unit in brackets; to place one, negate y for a bottom-side part, rotate by r counter-clockwise, add the part's x,y. Pads: shape width x height; smd on the part's side, far side on the other; paste and mask are expansions set on the pad)
ADAM_TECH_PH2-20-UA [mm] "Footprint for Adam Tech's PH2-20-UA 2x10 0.1\" header"
  round 1.8 hole 1.02: 1(-11.43,-1.27) 2(-11.43,1.27) 3(-8.89,-1.27) 4(-8.89,1.27) 5(-6.35,-1.27) 6(-6.35,1.27) 7(-3.81,-1.27) 8(-3.81,1.27) 9(-1.27,-1.27) 10(-1.27,1.27) 11(1.27,-1.27) 12(1.27,1.27) 13(3.81,-1.27) 14(3.81,1.27) 15(6.35,-1.27) 16(6.35,1.27) 17(8.89,-1.27) 18(8.89,1.27) 19(11.43,-1.27) 20(11.43,1.27)
  silkscreen extent -12.75,-2.59 12.7,2.54, body extent -12.7,-2.54 12.7,2.54, height 8.56
AMPHENOL_U95T151100A [mm] "QSFP(+/28) Cage and connector"
  rect 0.35x1.8 smd mask+0.05: 1(-7,7.37) 2(-6.2,7.37) 3(-5.4,7.37) 4(-4.6,7.37) 5(-3.8,7.37) 6(-3,7.37) 7(-2.2,7.37) 8(-1.4,7.37) 9(-0.6,7.37) 10(0.2,7.37) 11(1,7.37) 12(1.8,7.37) 13(2.6,7.37) 14(3.4,7.37) 15(4.2,7.37) 16(5,7.37) 17(5.8,7.37) 18(6.6,7.37) 19(7.4,7.37) 20(7,9.87) 21(6.2,9.87) 22(5.4,9.87) 23(4.6,9.87) 24(3.8,9.87) 25(3,9.87) 26(2.2,9.87) 27(1.4,9.87) 28(0.6,9.87) 29(-0.2,9.87) 30(-1,9.87) 31(-1.8,9.87) 32(-2.6,9.87) 33(-3.4,9.87) 34(-4.2,9.87) 35(-5,9.87) 36(-5.8,9.87) 37(-6.6,9.87) 38(-7.4,9.87)
  round 1.65 hole 1.1 mask+0.05: G1(-9.5,-7.6) G2(-9.5,-16.6) G3(-9.5,-25.6) G4(-9.5,-34.6) G5(9.5,-3.1) G6(9.5,-12.1) G7(9.5,-21.1) G8(9.5,-30.1) G9(9.5,7.6) G10(-9.5,3.1) G11(2.2,12.79) G12(-5,12.79)
  round 1.6 hole 1.6 unplated: ""(-8.4,0) ""(8.4,0)
  (L1) Top keep-out region: 11.075,-37 -11.075,-37 -11.075,13.49 -8.1,13.49 -8.1,11.19 -9.6,11.19 -9.6,-1.69 -7.51,-1.69 -7.51,-3.5 7.51,-3.5 7.51,-1.69 9.6,-1.69 9.6,11.19 8.1,11.19 8.1,13.49 11.075,13.49
  silkscreen extent -10.6,-37 9.62,12.92, body extent -10.41,-48 10.41,12.92, height 15.1
C&K_KSC_6.20 [mm] "Footprint for C&K'S KSC series 6.2x6.2mm SMD tactile momentary switches"
  rrect25% 2.8x1 smd: 1(-2.9,-2) 2(2.9,-2) 3(2.9,2) 4(-2.9,2)
  silkscreen extent -3.62,-3.3 3.5,3.25, body extent -3.4,-3.15 3.4,3.15, height 3.5